# Altium PCB Video_Processing_Board.PcbDoc (part 2 of 2)
Units mm, origin at the board's own origin, x right, y up, seen from the top; angles counter-clockwise.
Board outline 40.63 x 59.74 mm, 6 copper layers (L1[SIG], L2[GND], L3[SIG], L4[PWR], L5[GND], L6[SIG]), stack 1.559 mm thick; 262 components, 193 nets, 1505 pads, 0 vias.
Unrouted connection lines stored in the file: 687.
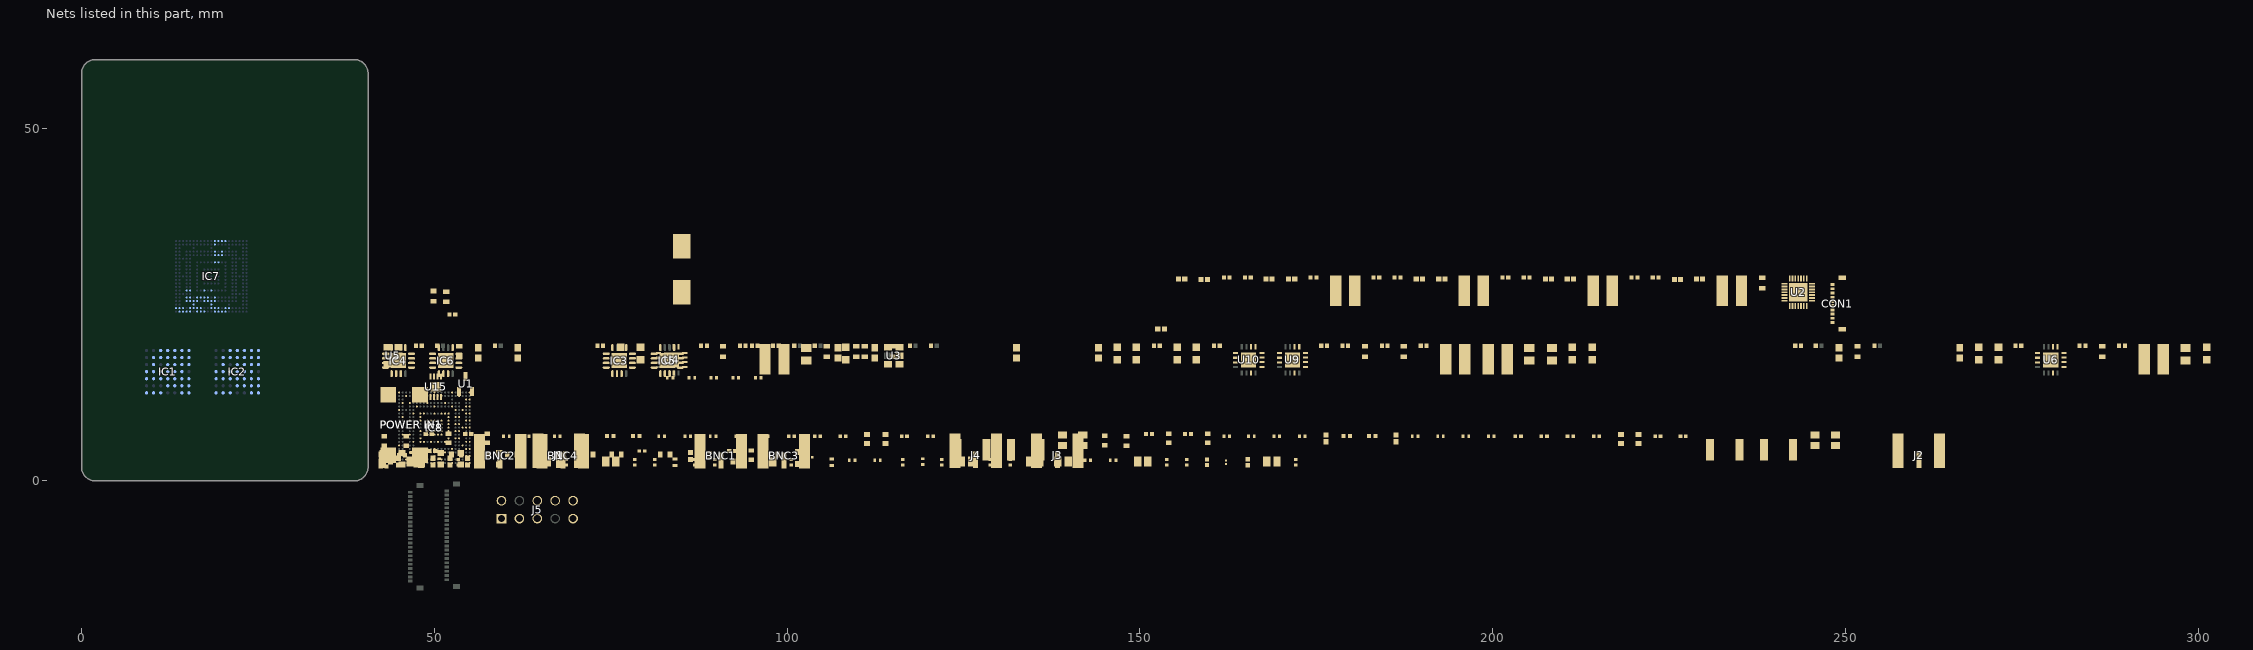
[diagram p2: the nets of this part, all layers, seen from the top]

## Part data
BNC1 BNC2 BNC3 BNC4: library part Component_1_3
C1 C10 C134: library part CMP-14477-000104-2, "None", Capacitance=1uF, Case Code (Imperial)=0402, Case Code (Metric)=1005, Dielectric=X5R, Max Operating Temperature=85°C, Min Operating Temperature=-55°C, Package Quantity=1, Tolerance=10%, Voltage Rating=16V, Case/Package=0402, Construction=Flat, Depth=0.5mm, Halogen Free="Halogen Free", Height=0.5mm, Length=1mm, Mount="Surface Mount", Number of Pins=2, Packaging="Tape and Reel", Radiation Hardening=No, RoHS Compliant=Yes, Series=M, Termination=SMD/SMT, Thickness=0.022inch, Voltage Rating (DC)=16V, Width=0.02inch
C2 C3 C4 C5 C6 C7 C8 C9 C11: library part CMP-2000-05265-2, "CAP CER 10UF 6.3V X5R 0402", Capacitance=10uF, Case Code (Imperial)=0402, Case Code (Metric)=1005, Dielectric=X5R, Max Operating Temperature=85°C, Min Operating Temperature=-55°C, Package Quantity=10000, Tolerance=20%, Voltage=6.3V, Case/Package=0402, Depth=0.5mm, Height=0.5mm, Lead Free="Lead Free", Length=1mm, Mount="Surface Mount", Packaging="Tape and Reel", REACH SVHC="No SVHC", RoHS Compliant=Yes, Series=GRM, Termination=SMD/SMT, Thickness=0.022inch, Voltage Rating=6.3V, Voltage Rating (DC)=6.3V, Width=0.5mm
C12 C15 C16 C53 C54 C57 C58 C63 C70 C71 C72 C73 C82 C83: library part C0402, "C0402C103K9RACTU 10nF 6.3V", PackageDocument=Mar-2001, Code_IPC="1005 [0402]", Code_JEITA=0402, ComponentLink1Description="Manufacturer Link", ComponentLink1URL=http://www.kemet.com/, ComponentLink2Description=Datasheet, ComponentLink2URL=http://www.kemet.com/kemet/web/homepage/kechome.nsf/vapubfilesname/F3102TA.pdf/$file/F3102TA.pdf, DatasheetDocument=Mar-2001, LatestRevisionDate=19-Mar-2004, LatestRevisionNote="Silkscreen size reduced.", Note="Footprint corresponds to dimensions for bulk cassette packaging. This case size has tightened tolerances.", PackageReference=0402, Published=17-Jul-2002, Publisher="Altium Limited"
C13 C55 C66 C67: library part C0805, "C0805C105K5RACTU 1uF 50V", PackageDocument=Mar-2001, Code_IPC=2012[0805], Code_JEITA=0805, ComponentLink1Description="Manufacturer Link", ComponentLink1URL=http://www.kemet.com/, ComponentLink2Description=Datasheet, ComponentLink2URL=http://www.kemet.com/kemet/web/homepage/kechome.nsf/vapubfilesname/F3102TA.pdf/$file/F3102TA.pdf, DatasheetDocument=Mar-2001, LatestRevisionDate=19-Mar-2004, LatestRevisionNote="Silkscreen size reduced.", Note="Footprint corresponds to dimensions for bulk cassette packaging. This case size has tightened tolerances.", PackageReference=0805, Published=17-Jul-2002, Publisher="Altium Limited"
C14 C56 C68 C69: library part C0402, "C0402C103J5RACTU 10nF 50VV", PackageDocument=Mar-2001, Code_IPC="1005 [0402]", Code_JEITA=0402, ComponentLink1Description="Manufacturer Link", ComponentLink1URL=http://www.kemet.com/, ComponentLink2Description=Datasheet, ComponentLink2URL=http://www.kemet.com/kemet/web/homepage/kechome.nsf/vapubfilesname/F3102TA.pdf/$file/F3102TA.pdf, DatasheetDocument=Mar-2001, LatestRevisionDate=19-Mar-2004, LatestRevisionNote="Silkscreen size reduced.", Note="Footprint corresponds to dimensions for bulk cassette packaging. This case size has tightened tolerances.", PackageReference=0402, Published=17-Jul-2002, Publisher="Altium Limited"
C17 C18 C59 C61 C74 C75 C78 C79: library part C0603, "C0603C333K5RACTU 33nF 50V", PackageDocument=Mar-2001, Code_IPC="1608 [0603]", Code_JEITA=0603, ComponentLink1Description="Manufacturer Link", ComponentLink1URL=http://www.kemet.com/, ComponentLink2Description=Datasheet, ComponentLink2URL=http://www.kemet.com/kemet/web/homepage/kechome.nsf/vapubfilesname/F3102TA.pdf/$file/F3102TA.pdf, DatasheetDocument=Mar-2001, LatestRevisionDate=19-Mar-2004, LatestRevisionNote="Silkscreen size reduced.", Note="Footprint corresponds to dimensions for bulk cassette packaging. This case size has tightened tolerances.", PackageReference=0603, Published=17-Jul-2002, Publisher="Altium Limited"
C19 C20 C35 C36: library part CMP-1036-04761-2, Manufacturer=Murata, Part Number=GRM21BR71H105KA12L
C21 C22 C37 C38: library part CMP-13271-000387-1, "Cap Ceramic 10nF 50V X7R ±10% SMD 0402 +125°C Paper T/R", Case Code (Imperial)=0402, Case Code (Metric)=1005, Dielectric=X7R, Max Operating Temperature=125°C, Min Operating Temperature=-55°C, Package Quantity=1, Tolerance=10%, Voltage=50V, Capacitance=10nF, Case/Package=0402, Contact Plating=Tin, Depth=0.5mm, Height=0.5mm, Lead Free="Lead Free", Length=1mm, Material=Ceramic, Mount="Surface Mount", Packaging="Tape and Reel", Radiation Hardening=No, Thickness=0.022inch, Voltage Rating=50V, Voltage Rating (DC)=50V, Width=0.02inch
C23 C24 C25 C26 C39 C40 C41 C42: library part CMP-2008-02108-2, "CAP CER 0.1UF 16V X7R 0402", Capacitance="0.10 μF", Manufacturer=Kemet, Manufacturer Part Number=C0402C104K4RACTU, Package=C0402-BB, Temperature="-55°C to +125°C", Temperature Characteristic=X7R, Temperature Coefficient=15%, Temperature Range High=+125°C, Temperature Range Low=-55°C, Tolerance=0.1, Voltage Rating="16 V", Automotive=No, Category=Cap, ComponentLink2Description=Datasheet, ComponentLink2URL=https://content.kemet.com/datasheets/KEM_C1002_X7R_SMD.pdf, Device Class L1="Passive Components", Device Class L2=Capacitors, Device Class L3="Ceramic Capacitors", Digikey Description="CAP CER 0.1UF 16V X7R 0402", Height=0.55mm, Ipc Land Pattern Name=CAPC10050X50, Lead Free=Yes, Material=Ceramic, Mouser Description="Cap Ceramic 0.1uF 16V X7R 10% SMD 0402 125?C Paper T/R - Tape and Reel (Alt: C0402C104K4RAC TU)", Octopart=https://octopart.com/c0402c104k4ractu-kemet-94158, RoHS=TRUE
C27 C28 C29 C30 C31 C32 C33 C34 C43 C44 C45 C46 C47 C48 C49 C50 C88 C89 C90 C91 C92 C94 C95 C98 C99 C100 C101 C102 C104 C107 C112 C113 C115 C116 C118 C119 C121 C122 C124 C125 C127 C128 C130 C131 C133 C135 C136: library part CMP-2100-03641-2, "CAP CER 0.1UF 16V X7R 0402", Capacitance=0.10μF, Manufacturer=Murata, Manufacturer Part Number=GRM155R71C104KA88D, Package=GRM15, Temperature="-55°C to +125°C", Temperature Characteristic=X7R, Temperature Range High=+125°C, Temperature Range Low=-55°C, Tolerance=10%, Voltage Rating=16Vdc, Category=Cap, ComponentLink2Description=Datasheet, ComponentLink2URL=https://search.murata.co.jp/Ceramy/image/img/A01X/G101/ENG/GRM155R71H471KA01-01A.pdf, Device Class L1="Passive Components", Device Class L2=Capacitors, Device Class L3="Ceramic Capacitors", Digikey Description="CAP CER 0.1UF 16V X7R 0402", Height=0.55mm, Ipc Land Pattern Name=CAPC10050X219, Lead Free=yes, Material=Ceramic, Mouser Description="0402 0.1 uF 16V ±10 % Tolerance X7R SMT Multilayer Ceramic Capacitor", Octopart=https://octopart.com/grm155r71c104ka88d-murata-196880, RoHS=TRUE, Standoff Height=0mm
C51 C52 C60 C62 C76 C77 C80 C81: library part C0402, "C0402C104K8RACTU 100nF 10V", PackageDocument=Mar-2001, Code_IPC="1005 [0402]", Code_JEITA=0402, ComponentLink1Description="Manufacturer Link", ComponentLink1URL=http://www.kemet.com/, ComponentLink2Description=Datasheet, ComponentLink2URL=http://www.kemet.com/kemet/web/homepage/kechome.nsf/vapubfilesname/F3102TA.pdf/$file/F3102TA.pdf, DatasheetDocument=Mar-2001, LatestRevisionDate=19-Mar-2004, LatestRevisionNote="Silkscreen size reduced.", Note="Footprint corresponds to dimensions for bulk cassette packaging. This case size has tightened tolerances.", PackageReference=0402, Published=17-Jul-2002, Publisher="Altium Limited"
C93: library part CMP-0687-00065-1, "Aluminum Electrolytic Capacitor, UD Series, Low Impedance, 330 uF, 16 V, + / - 20%, -55 to 105 degC, Chip Type, 8 x 10 mm D x L, Pb-Free, Reel", Manufacturer=Nichicon, PartNumber=UUD1C331MNL1GS, Rated Capacitance="330 uF", Rated Ripple Current (at 100kHz)="450 mA", Rated Voltage="16 V", Tolerance Rated Capacitance="-20 to 20%", ComponentLink1Description="Manufacturer URL", ComponentLink1URL=http://www.nichicon.co.jp/, ComponentLink2Description=Datasheet, ComponentLink2URL=http://products.nichicon.co.jp/en/pdf/XJA043/e-ud.pdf, ComponentLink3Description="Package Specification", ComponentLink3URL=http://products.nichicon.co.jp/en/pdf/XJA043/e-ud.pdf, DatasheetVersion=08/2012, Diameter="8 mm", Endurance Time="5000 h", Impedance="0.17 Ohm", Length="10 mm", Mounting Technology="Surface Mount", PackageDescription="2-Pin Surface Mount Device, Diameter 8 mm, Height 10 mm, Pitch 6.5 mm", PackageReference=CAPAE-D8H10, Packing="Dia382mm Reel", RoHS=TRUE
C96 C97 C106 C111 C114 C117 C120 C123 C129: library part CMP-2007-00047-1, Manufacturer="AVX Interconnect / Elco", Part Number=TLCR476M010XTA
C103 C126 C132: library part CMP-13271-000002-1, "CAP CER 10UF 10V X5R 0402", Capacitance=10uF, Manufacturer=Samsung, Manufacturer Part Number=CL05A106MP5NUNC, Temperature="-55°C to +85°C", Temperature Characteristic=X5R, Temperature Coefficient=15%, Temperature Range High=+85°C, Temperature Range Low=-55°C, Tolerance=20%, Voltage Rating=10V, Automotive=No, Category=Cap, ComponentLink2Description=Datasheet, ComponentLink2URL=http://www.samsungsem.com/kr/support/product-search/mlcc/__icsFiles/afieldfile/2019/05/10/19-CL05A106MP5NUNC.pdf, Device Class L1="Passive Components", Device Class L2=Capacitors, Device Class L3="Ceramic Capacitors", Digikey Description="CAP CER 10UF 10V X5R 0402", Height=0.7mm, Ipc Land Pattern Name=CAPC10050X50, Lead Free=Yes, Material=Ceramic, Octopart=https://octopart.com/cl05a106mp5nunc-samsung-22457395, Package=CL05A106MP5NUNC, RoHS=TRUE
C105: library part CMP-1033-00594-2, Manufacturer="AVX Interconnect / Elco", Part Number=02013D102KAT2A
C108: library part CMP-2008-03290-2, "CAP CER 2200PF 25V 5% NP0 0402", Capacitance="2,200 pF", Manufacturer=Kemet, Manufacturer Part Number=C0402C222J3GACTU, Package=C0402-BB, Temperature="-55°C to +125°C", Temperature Characteristic=C0G, Temperature Coefficient=15%, Temperature Range High=+125°C, Temperature Range Low=-55°C, Tolerance=0.05, Voltage Rating="25 V", Automotive=No, Category=Cap, ComponentLink2Description=Datasheet, ComponentLink2URL=https://content.kemet.com/datasheets/KEM_C1002_X7R_SMD.pdf, Device Class L1="Passive Components", Device Class L2=Capacitors, Device Class L3="Ceramic Capacitors", Digikey Description="CAP CER 2200PF 25V 5% NP0 0402", Height=0.55mm, Ipc Land Pattern Name=CAPC10050X50, Lead Free=Yes, Material=Ceramic, Mouser Description="Multilayer Ceramic Capacitors MLCC - SMD/SMT 25V 0.0022uF 5% C0G", Octopart=https://octopart.com/c0402c222j3gactu-kemet-9145102, RoHS=TRUE
C109: library part CMP-03422-000880-1, "CAP CER 4700PF 16V X7R 0201", Capacitance="4.7 nF", Manufacturer=Yageo, Manufacturer Part Number=CC0201KRX7R7BB472, Package=CC0201-BA, Temperature="-55°C to +85°C", Temperature Characteristic=X7R, Temperature Coefficient=15%, Temperature Range High=+85°C, Temperature Range Low=-55°C, Tolerance=0.1, Voltage Rating="16 V", Automotive=No, Category=Cap, ComponentLink2Description=Datasheet, ComponentLink2URL=http://www.yageo.com/documents/recent/UPY-GPHC_X5R_4V-to-50V_25.pdf, Device Class L1="Passive Components", Device Class L2=Capacitors, Device Class L3="Ceramic Capacitors", Digikey Description="CAP CER 4700PF 16V X7R 0201", Footprint Url=http://www.yageo.com/exep/pages/download/literatures/UPY-C_GEN_24.pdf, Height=0.33mm, Ipc Land Pattern Name=CAPC6030X30, Lead Free=Yes, Material=Ceramic, Mouser Description="Multilayer Ceramic Capacitors MLCC - SMD/SMT 4.7nF 16V X7R 10%", Octopart=https://octopart.com/cc0201krx7r7bb472-yageo-33242265, RoHS=TRUE
C110: library part CMP-2008-02796-2, "General Purpose Ceramic Capacitor, 0402, 10nF, 5%, X7R, 15%, 16V", Case Code (Imperial)=0402, Case Code (Metric)=1005, Dielectric=X7R, Max Operating Temperature=125°C, Min Operating Temperature=-55°C, Package Quantity=10000, Tolerance=5%, Voltage=16V, Capacitance=10nF, Case/Package=0402, Construction=Flat, Contact Plating=Tin, Depth=0.5mm, Height=0.5mm, Lead Free="Lead Free", Length=1mm, Mount="Surface Mount", Packaging="Tape and Reel", Radiation Hardening=No, REACH SVHC="No SVHC", RoHS Compliant=Yes, Series=-, Termination=SMD/SMT, Thickness=0.022inch, Voltage Rating=16V, Voltage Rating (DC)=16V, Width=0.5mm
CON2 CON3 FB1 FB2 FB3 FB4 FB5 FB6 FB7 FB8 IC1 IC2 J5 U1 U15: "Jumper", ComponentLink1Description=Datasheet, ID=110, Mounting_Type=SMT, Part_Name=Jumper, Part_Number=J00001
  J5: Parameter 1=HDR_5X2_100MIL
IC3 IC4 IC5 IC6: "12.5 Gbps Asymmetric Equalizer/Driver/Repeater", ComponentLink1Description=Datasheet, ID=110, Mounting_Type=SMT, Part_Name=Jumper, Part_Number=J00001
J1 J2 J3 J4: library part Component_1, "Amphenol_BNC_HD_034_1018"
L1 L2 L3 L4: library part CMP-0227-00364-1, "SMD Shielded Tiny Power Inductor WE-TPC, L = 1.50 µH", Inductance=1.5µH, ComponentLink1Description="Manufacturer Link", ComponentLink1URL=http://www.we-online.com, ComponentLink2Description=Datasheet, ComponentLink2URL=http://www.we-online.de/katalog/media/pdf/744031001.pdf, DatasheetVersion="ver 6, Jan-2009", PackageDescription="SMD Inductor, 2-Leads, Body 3.8 x 3.8 mm", PackageReference=WE-TPC-3816-S, PackageVersion=2009
L5 L6 L7 L8: library part CMP-11268-000188-1, "Fixed Inductors 1812PS Hi SRF Shlded 10uH 5 % 1.7 A", Case/Package=1812, DC Resistance (DCR)=170mR, Max DC Current=1.7A, Max Operating Temperature=105°C, Min Operating Temperature=-40°C, Package Quantity=600, Self Resonant Frequency=120MHz, Test Frequency=100kHz, Tolerance=5%, Core Material=Ferrite, Height=3.81mm, Inductance=10uH, Lead Free="Contains Lead", Length=5.87mm, Packaging="Tape and Reel", Q Factor=40, RoHS Compliant=Yes, Series=1812PS, Shielding=Shielded, Termination=SMD/SMT, Width=4.98mm
L9 L13 L17 L18: "SMD EMI Suppression Ferrite Bead WE-CBF, Z = 600 Ohm", ComponentLink1Description="Manufacturer URL", ComponentLink1URL=http://www.we-online.com, ComponentLink2Description=Datasheet, ComponentLink2URL=http://www.we-online.de/katalog/media/pdf/742792651.pdf, DatasheetVersion=Dec-2005, Impedance="600 Ohm", PackageDescription="Chip Inductor, 2-Leads, Body 1.6 x 0.8 mm", PackageReference=SMD-0603, PackageVersion=2009
L10 L14 L19 L20: "SMD Shielded Tiny Power Inductor WE-TPC, L = 1.50 µH", Inductance="1.50 µH", ComponentLink1Description="Manufacturer URL", ComponentLink1URL=http://www.we-online.com, ComponentLink2Description=Datasheet, ComponentLink2URL=http://www.we-online.de/katalog/media/pdf/744031001.pdf, DatasheetVersion="ver 6, Jan-2009", PackageDescription="SMD Inductor, 2-Leads, Body 3.8 x 3.8 mm", PackageReference=WE-TPC-3816-S, PackageVersion=2009
L11 L12 L15 L16 L21 L22 L23 L24: "SMD EMI Suppression Ferrite Bead WE-CBF, Z = 1000 Ohm", ComponentLink1Description="Manufacturer URL", ComponentLink1URL=http://www.we-online.com, ComponentLink2Description=Datasheet, ComponentLink2URL=http://www.we-online.de/katalog/media/pdf/742792662.pdf, DatasheetVersion="ver 1, Mar-2010", Impedance="1000 Ohm", PackageDescription="Chip Inductor, 2-Leads, Body 1.6 x 0.8 mm", PackageReference=SMD-0603, PackageVersion=2009
"POWER IN1" "POWER IN1": library part CMP-1502-00174-2, Color=Black, Current Rating=5A, Flammability Rating="UL94 V-0", Insulation Resistance=100MΩ, Max Operating Temperature=85°C, Min Operating Temperature=-40°C, Operating Supply Voltage=18V, Connector Type=Power, Contact Gender=Female, Contact Plating=Tin, Gender=Male, Housing Material=Polyamide, Mount="Surface Mount", NexarPartId=52645180, Packaging="Tape and Reel", REACH SVHC=Unknown, RoHS=Compliant, Shielding=Unshielded, Termination=SMD/SMT, Voltage Rating=18V, Voltage Rating (DC)=18V
R1: library part CMP-2000-00875-1, Manufacturer=Panasonic, Package=0603, Part Number=ERA3AEB104V
R2: library part CMP-1011-00684-2, Manufacturer="Yageo / Phycomp", Parameter 1=35.7k, Parameter 2=0402, Part Number=RC0402FR-0735K7L
R3 R9 R11: library part CMP-2002-07364-1, Manufacturer="Yageo / Phycomp", Parameter 3=11.5k, Parameter 4=0402, Part Number=RC0402FR-0711K5L
R4: library part CMP-2002-07717-1, Manufacturer="Yageo / Phycomp", Parameter 3=4.99k, Parameter 4=0402, Part Number=RC0402FR-074K99L
R5 R7: library part CMP-2002-07501-1, Manufacturer="Yageo / Phycomp", Parameter 3=20k, Parameter 4=0402, Part Number=RC0402FR-0720KL
R6: library part CMP-2002-07353-1, Manufacturer="Yageo / Phycomp", Parameter 3=10k, Parameter 4=0402, Part Number=RC0402FR-0710KL
R8: Package=None, Availability=Unavailable, MP=RN73H1ETTP1452F25, Parameter 1=14.5k, Parameter 2=0402, Parameter 3=14.5k, Parameter 4=0402, Price=None
R10: library part CMP-2002-07533-1, Manufacturer=Yageo, Parameter 3=24.3k, Parameter 4=0402, Part Number=RC0402FR-0724K3L
R12 R74: library part CMP-2000-00179-1, Manufacturer=Panasonic, Manufacturer Part Number=ERJ3EKF1000V, Part Number=ERJ-3EKF1000V
R13 R14 R15 R16 R17 R34 R36 R39 R45 R46 R47 R48: library part ERJ3EK, "Precision Thick Film Chip Resistor, 10 Ohm to 1M Ohm Range, 1% and 0.5% Tolerance, 0603 Size, 0.063 W", PackageDocument=Mar-2003, Code_IPC="1608 [0603]", ComponentLink1Description="Manufacturer Link", ComponentLink1URL=http://www.panasonic.com/industrial/components/resistive_products.htm, ComponentLink2Description=Datasheet, ComponentLink2URL=http://www.panasonic.com/industrial/components/pdf/AOA0000CE2.pdf, LatestRevisionDate=19-Mar-2004, LatestRevisionNote="Silkscreen size reduced.", PackageReference=3-0603, Published=17-Dec-2003, Publisher="Altium Limited"
R18 R19 R32 R33: library part CMP-2000-00180-1, Manufacturer=Panasonic, Part Number=ERJ-3EKF1001V
R20 R23 R24 R26 R27 R29 R30 R31: library part CMP-2002-05954-1, Manufacturer=Multicomp, Part Number=MC00625W0402115R
R21 R22 R35 R37: library part CMP-2002-01061-2, "RES SMD 75 OHM 1% 1/10W 0402", Case Code (Imperial)=0402, Case Code (Metric)=1005, Max Operating Temperature=155°C, Max Power Dissipation=100mW, Min Operating Temperature=-55°C, Package Quantity=1, Resistance Tolerance=1%, Resistor Type="Thick Film", Temperature Coefficient=100ppm/°C, Voltage Rating=50V, Case/Package=0402, Construction=Rectangular, Contact Plating=Tin, Depth=0.5mm, Features="Automotive AEC-Q200", Height=0.35mm, Lead Free="Lead Free", Length=1mm, Military Standard=Not, Mount="Surface Mount", Number of Terminations=2, Packaging="Tape and Reel", Power Rating=100mW, Radiation Hardening=No, REACH SVHC="No SVHC", Resistance=75R, RoHS Compliant=Yes, Series=ERJ, Size Code=0402, Technology="THICK FILM", Termination=SMD/SMT, Tolerance=1%, Voltage Rating (DC)=50V, Width=0.02inch
R25 R28 R38 R40 R61 R72: library part CMP-1011-00001-2, Manufacturer="Yageo / Phycomp", Part Number=RC0402JR-070RL
R58 R59 R65 R66 R68 R69 R70 RISE0 RISE1 RISE2 RISE3: library part CMP-2100-03664-2, "RES 10K OHM 1% 1/10W 0603", Case Code (Imperial)=0603, Case Code (Metric)=1608, Max Operating Temperature=155°C, Max Power Dissipation=100mW, Min Operating Temperature=-55°C, Resistance=10kR, Resistance Tolerance=1%, Resistor Type="Thick Film", Temperature Coefficient=100ppm/°C, Voltage Rating=75V, Voltage Rating (DC)=50V, Case/Package=0603, Construction=Rectangular, Depth=0.8mm, Features="Moisture Resistant", Height=0.45mm, Lead Free="Lead Free", Lead Pitch=0.3mm, Length=1.6mm, Military Standard=Not, Number of Pins=2, Number of Terminations=2, Packaging="Tape and Reel", Power Rating=100mW, RoHS Compliant=Yes, Series=RC, Size Code=0603, Termination=SMD/SMT, Tolerance=1%, Weight=7.1E-05oz, Width=0.8mm
R60: library part CMP-2100-03662-2, "RES SMD 100K OHM 1% 1/10W 0603", Case Code (Imperial)=0603, Case Code (Metric)=1608, Max Operating Temperature=155°C, Max Power Dissipation=100mW, Min Operating Temperature=-55°C, Resistance=100kR, Resistance Tolerance=1%, Resistor Type="Thick Film", Temperature Coefficient=100ppm/°C, Voltage Rating=50V, Working Voltage=75V, Case/Package=0603, Construction=Rectangular, Depth=0.8mm, Features="Moisture Resistant", Height=0.45mm, Lead Free="Lead Free", Length=1.6mm, Military Standard=Not, Number of Pins=2, Number of Terminations=2, Packaging="Tape and Reel", Power Rating=100mW, REACH SVHC="No SVHC", RoHS Compliant=Yes, Series=RC, Technology="THICK FILM", Termination=SMD/SMT, Tolerance=1%, Voltage Rating (DC)=50V, Width=0.8mm
R62: library part CMP-2000-06942-1, "Chip Resistor, 4.7 KOhm, +/- 1%, 0.1 W, -55 to 155 degC, 0603 (1608 Metric), RoHS, Tape and Reel", Case Code - in=0603, Case Code - mm=1608, Manufacturer=Yageo, Operating Temperature Range=-55Cto+155C, Package Description="2-Pin Surface Mount Device, Body 1.6 x 0.8 mm", Power Rating=100mW, Resistance=4.7kOhms, Temperature Coefficient=100PPM/C, Tolerance=1%, Voltage Rating=50V, Datasheet URL=http://www.yageo.com/documents/recent/PYu-RC_Group_51_RoHS_L_7.pdf, Datasheet Version="Rev. 7, 05/2017", Manufacturer URL=http://www.yageo.com/, Mounting Technology=SurfaceMount, Package Reference=0603, Packaging=Reel, Product=ThickFilmResistorsGeneralPurpose, Series=RC, Termination Style=SMD/SMT
R63 R67 R71 R73: library part CMP-1659-00009-5, "RES 1K OHM 1% 1/10W 0603", Case Code (Imperial)=0603, Case Code (Metric)=1608, Max Operating Temperature=155°C, Max Power Dissipation=100mW, Min Operating Temperature=-55°C, Resistance=1kR, Resistance Tolerance=1%, Resistor Type="Thick Film", Temperature Coefficient=100ppm/°C, Voltage Rating=50V, Case/Package=0603, Construction=Rectangular, Contact Plating=Tin, Depth=0.8mm, Features="Moisture Resistant", Height=0.45mm, Lead Free="Lead Free", Length=1.6mm, Military Standard=Not, Number of Terminations=2, Packaging="Tape and Reel", Power Rating=100mW, Radiation Hardening=No, REACH SVHC="No SVHC", RoHS Compliant=Yes, Series=RC, Size Code=0603, Technology="THICK FILM", Termination=SMD/SMT, Tolerance=1%
R64: library part CMP-2002-07520-1, Manufacturer="Yageo / Phycomp", Part Number=RC0402FR-0722RL
RAMP0 RAMP1 RAMP2 RAMP3: library part CMP-1659-00042-1, "Chip Resistor, 1.2 KOhm, +/- 1%, 0.1 W, -55 to 155 degC, 0603 (1608 Metric), RoHS, Tape and Reel", Case Code (Imperial)=0603, Case Code (Metric)=1608, Max Operating Temperature="155 degC", Min Operating Temperature="-55 degC", Package Quantity=5000, Power Rating="100 mW", Resistance="825 kohm", Tolerance=1%, Voltage Rating="50 V", Case\Package=0603, ComponentLink1Description="Manufacturer URL", ComponentLink1URL=http://www.yageo.com/, ComponentLink2Description=Datasheet, ComponentLink2URL=http://www.yageo.com/documents/recent/PYu-RC_Group_51_RoHS_L_04.pdf, DatasheetVersion="Rev. 4, 02/2016", Height="0.45 mm", Length="1.6 mm", PackageDescription="2-Pin Surface Mount Device, Body 1.6 x 0.8 mm", PackageReference=0603, Packaging="Tape and Reel", RoHSCompliant=true, Width="0.8 mm"
U2: "No Description Available", Copyright="Copyright (C) 2021 Accelerated Designs. All rights reserved", RefDes=RefDes, Type=Type
U3 U5: library part AX3DAF1-148.5000T, "148.5 MHz XO (Standard) LVDS Oscillator 3.3V Enable/Disable 6-SMD, No Lead", ComponentLink1Description=Datasheet, ID=110, Mounting_Type=SMT, Part_Name=AX3DAF1-148.5000T3, Part_Number=J00001
U4 U6 U9 U10: library part Component_1
CON1 IC7 IC8: ComponentLink1Description=Datasheet, ID=110, Mounting_Type=SMT, Part_Name=Jumper, Part_Number=J00001

## Nets (pads, with @x,y where several pads share a name; then routed paths per layer and width w, separated by ;. In a path a pad name is that pad's centre, name@x,y a point inside that pad or via, vN(x,y) a via of type N, cw(c..) or ccw(c..) an arc to the next point about the centre after c; other vN are vias at no path point)
1PV8: C118.2 C119.2 C120.1 C121.2 C122.2 C123.1 IC8.B3 IC8.B8 IC8.B13 IC8.B18 IC8.E11 IC8.E16 IC8.R12 IC8.U11 IC8.U16 IC8.Y8 IC8.Y13 IC8.Y18
3P3V: C124.2 C125.2 C126.1 C127.2 C128.2 C129.1 C133.2 C135.2 C136.1 IC8.D2 IC8.G5 IC8.G11 IC8.H2 IC8.J10 IC8.L5 J5.6 R60.2 R62.2 R63.2 R68.2 R69.2 R70.2 U1.2 U15.8
5V0: C1.1 C2.1 C4.1 C6.1 C8.1 CON1.1 CON1.2 CON1.3 CON1.4 U2.1 U2.6 U2.8 U2.14 U2.16 U2.21 U2.23 U2.26 U2.27
28V: "POWER IN1.1" C13.2 C19.2 C20.2 C35.2 C36.2 L5.2 L6.2 L7.2 L8.2 L10.2
DEVRST_N: C134.1 IC7.E10 R60.1 R61.1
DRAM0_CK_N: IC1.B2 IC7.Y17 R12.1
DRAM0_CK_P: IC1.B3 IC7.AA17 R12.2
DRAM0_CS#: IC1.A4 IC7.R18
DRAM0_DQ0: IC1.D4 IC7.V17
DRAM0_DQ1: IC1.D3 IC7.V18
DRAM0_DQ2: IC1.C5 IC7.U17
DRAM0_DQ3: IC1.D5 IC7.V16
DRAM0_DQ4: IC1.D6 IC7.V15
DRAM0_DQ5: IC1.E4 IC7.W16
DRAM0_DQ6: IC1.E3 IC7.AA18
DRAM0_DQ7: IC1.E2 IC7.Y19
DRAM0_DQ8: IC1.F5 IC7.Y15
DRAM0_DQ9: IC1.F1 IC7.Y21
DRAM0_DQ10: IC1.F7 IC7.AA14
DRAM0_DQ11: IC1.F2 IC7.Y20
DRAM0_DQ12: IC1.G5 IC7.AA15
DRAM0_DQ13: IC1.G1 IC7.AA20
DRAM0_DQ14: IC1.G7 IC7.AA13
DRAM0_DQ15: IC1.G2 IC7.AA19
DRAM0_RESET#: IC1.A5 IC7.R17
DRAM0_RWDS0: IC1.C4 IC7.U18
DRAM0_RWDS1: IC1.F4 IC7.Y16
DRAM1_CK_N: IC2.B2 IC7.U15 R74.1
DRAM1_CK_P: IC2.B3 IC7.U14 R74.2
DRAM1_CS#: IC2.A4 IC7.Y14
DRAM1_DQ0: IC2.D4 IC7.Y11
DRAM1_DQ1: IC2.D3 IC7.AA10
DRAM1_DQ2: IC2.C5 IC7.V12
DRAM1_DQ3: IC2.D5 IC7.V11
DRAM1_DQ4: IC2.D6 IC7.U12
DRAM1_DQ5: IC2.E4 IC7.W11
DRAM1_DQ6: IC2.E3 IC7.Y9
DRAM1_DQ7: IC2.E2 IC7.AA9
DRAM1_DQ8: IC2.F5 IC7.V10
DRAM1_DQ9: IC2.F1 IC7.AA8
DRAM1_DQ10: IC2.F7 IC7.R13
DRAM1_DQ11: IC2.F2 IC7.Y7
DRAM1_DQ12: IC2.G5 IC7.U10
DRAM1_DQ13: IC2.G1 IC7.AA7
DRAM1_DQ14: IC2.G7 IC7.R11
DRAM1_DQ15: IC2.G2 IC7.Y6
DRAM1_RESET#: IC2.A5 IC7.U13
DRAM1_RWDS0: IC2.C4 IC7.V13
DRAM1_RWDS1: IC2.F4 IC7.Y10
GND: "POWER IN1.2" "POWER IN1.3" BNC1.2 BNC1.3 BNC2.2 BNC2.3 BNC3.2 BNC3.3 BNC4.2 BNC4.3 C1.2 C2.2 C3.2 C4.2 C5.2 C6.2 C7.2 C8.2 C9.2 C10.2 C11.2 C12.1 C13.1 C14.1 C15.1 C16.2 C19.1 C20.1 C21.2 C22.2 C23.2 C24.2 C25.2 C26.2 C35.1 C36.1 C37.2 C38.2 C39.2 C40.2 C41.2 C42.2 C53.1 C54.1 C55.1 C56.1 C57.1 C58.2 C63.1 C66.1 C67.1 C68.1 C69.1 C70.1 C71.1 C72.2 C73.2 C82.1 C83.1 C88.1 C89.1 C90.1 C91.1 C92.1 C93.2 C94.1 C95.1 C96.2 C97.2 C98.1 C99.1 C100.1 C101.1 C102.1 C103.2 C104.1 C105.1 C106.2 C107.1 C108.2 C109.2 C110.2 C111.2 C112.1 C113.1 C114.2 C115.1 C116.1 C117.2 C118.1 C119.1 C120.2 C121.1 C122.1 C123.2 C127.1 C128.1 C129.2 C130.1 C131.1 C132.2 C133.1 C134.2 C135.1 C136.2 CON1.7 CON1.8 CON1.9 CON1.10 CON1.S1 CON1.S2 IC1.A7 IC1.B4 IC1.B7 IC1.C2 IC1.D1 IC1.E6 IC1.G3 IC1.G6 IC2.A7 IC2.B4 IC2.B7 IC2.C2 IC2.D1 IC2.E6 IC2.G3 IC2.G6 IC3.1 IC3.4 IC3.9 IC3.12 IC3.17 IC4.1 IC4.4 IC4.9 IC4.12 IC4.17 IC5.1 IC5.4 IC5.9 IC5.12 IC5.17 IC6.1 IC6.4 IC6.9 IC6.12 IC6.17 IC8.A1 IC8.A6 IC8.A11 IC8.A16 IC8.A21 IC8.AA1 IC8.AA6 IC8.AA11 IC8.AA16 IC8.AA21 IC8.C20 IC8.C21 IC8.D4 IC8.D9 IC8.D14 IC8.E21 IC8.F1 IC8.G14 IC8.G21 IC8.H7 IC8.H17 IC8.H18 IC8.J4 IC8.J9 IC8.J11 IC8.J13 IC8.J15 IC8.J21 IC8.K10 IC8.K12 IC8.K18 IC8.L1 IC8.L9 IC8.L11 IC8.L13 IC8.L15 IC8.L21 IC8.M10 IC8.M12 IC8.M18 IC8.N4 IC8.N9 IC8.N11 IC8.N13 IC8.N15 IC8.N21 IC8.P17 IC8.P18 IC8.R8 IC8.R21 IC8.T1 IC8.T19 IC8.U21 IC8.V4 IC8.V9 IC8.V14 IC8.W20 IC8.W21 J1.2 J1.3 J2.2 J2.3 J3.2 J3.3 J4.2 J4.3 J5.2 J5.10 R3.2 R5.2 R7.2 R9.2 R11.2 R16.1 R21.1 R22.1 R35.1 R37.1 R39.1 R47.1 R48.1 R58.1 R59.1 R65.1 R66.1 R67.1 R71.1 R72.1 R73.1 U1.3 U2.3 U2.4 U2.18 U2.19 U2.24 U2.25 U2.29 U3.3 U4.1 U4.7 U4.17 U5.3 U6.1 U6.7 U6.17 U9.1 U9.7 U9.17 U10.1 U10.7 U10.17 U15.4
JTAG_TCK: IC7.D10 J5.1 R67.2
JTAG_TDI: IC7.E9 J5.9
JTAG_TDO: J5.3 R64.1
JTAG_TMS: IC7.D8 J5.5
JTAG_TRST: IC7.G10 J5.8 R73.2
LFI0: R25.1
LFI1: R38.1
LFI2: R28.1
LFI3: R40.1
LFO0: U4.14
LFO1: U10.14
LFO2: U6.14
LFO3: U9.14
LVDS0_CLK_148_5MHZ_N: R17.2 U5.5
LVDS0_CLK_148_5MHZ_P: R17.1 U5.4
LVDS0_CLK_212_5MHZ_N: R13.2 U3.5
LVDS0_CLK_212_5MHZ_P: R13.1 U3.4
MGTAVTT1V2: L9.2 L13.2 L17.2 L18.2
NetBNC1_1: BNC1.1 C27.1 FB1.1 FB3.1
NetBNC2_1: BNC2.1 C43.1 FB5.1 FB6.1
NetBNC3_1: BNC3.1 C29.1 FB2.1 FB4.1
NetBNC4_1: BNC4.1 C45.1 FB7.1 FB8.1
NetC14_2: C14.2 R15.1
NetC17_1: C17.1 J1.1 L11.1 L12.1
NetC17_2: C17.2 U4.11
NetC18_1: C18.1 R16.2
NetC18_2: C18.2 U4.10
NetC21_1: C21.1 R18.2
NetC22_1: C22.1 R19.2
NetC27_2: C27.2 R20.1
NetC28_1: C28.1 IC3.11
NetC28_2: C28.2
NetC29_2: C29.2 R24.1
NetC30_1: C30.1 IC5.11
NetC30_2: C30.2
NetC31_1: C31.1 R21.2
NetC31_2: C31.2 R23.1
NetC32_1: C32.1 IC3.10
NetC32_2: C32.2
NetC33_1: C33.1 R22.2
NetC33_2: C33.2 R26.1
NetC34_1: C34.1 IC5.10
NetC34_2: C34.2
NetC37_1: C37.1 R32.2
NetC38_1: C38.1 R33.2
NetC43_2: C43.2 R27.1
NetC44_1: C44.1 IC4.11
NetC44_2: C44.2
NetC45_2: C45.2 R29.1
NetC46_1: C46.1 IC6.11
NetC46_2: C46.2
NetC47_1: C47.1 R35.2
NetC47_2: C47.2 R30.1
NetC48_1: C48.1 IC4.10
NetC48_2: C48.2
NetC49_1: C49.1 R37.2
NetC49_2: C49.2 R31.1
NetC50_1: C50.1 IC6.10
NetC50_2: C50.2
NetC51_1: C51.1 U4.3
NetC52_1: C52.1 U4.2
NetC56_2: C56.2 R36.1
NetC59_1: C59.1 J2.1 L15.1 L16.1
NetC59_2: C59.2 U6.11
NetC60_1: C60.1 U6.3
NetC61_1: C61.1 R39.2
NetC61_2: C61.2 U6.10
NetC62_1: C62.1 U6.2
NetC68_2: C68.2 R45.1
NetC69_2: C69.2 R46.1
NetC74_1: C74.1 J3.1 L21.1 L22.1
NetC74_2: C74.2 U9.11
NetC75_1: C75.1 J4.1 L23.1 L24.1
NetC75_2: C75.2 U10.11
NetC76_1: C76.1 U9.3
NetC77_1: C77.1 U10.3
NetC78_1: C78.1 R47.2
NetC78_2: C78.2 U9.10
NetC79_1: C79.1 R48.2
NetC79_2: C79.2 U10.10
NetC80_1: C80.1 U9.2
NetC81_1: C81.1 U10.2
NetC124_1: C124.1 C125.1 C126.2
NetFB1_2: FB1.2 FB3.2 L5.1 R18.1
NetFB2_2: FB2.2 FB4.2 L6.1 R19.1
NetFB5_2: FB5.2 FB6.2 L7.1 R32.1
NetFB7_2: FB7.2 FB8.2 L8.1 R33.1
NetIC3_2: IC3.2 R20.2
NetIC3_3: IC3.3 R23.2
NetIC3_5: IC3.5 R25.2
NetIC3_6: IC3.6 RAMP0.2
NetIC3_7: IC3.7 RISE0.2
NetIC4_2: IC4.2 R27.2
NetIC4_3: IC4.3 R30.2
NetIC4_5: IC4.5 R38.2
NetIC4_6: IC4.6 RAMP1.2
NetIC4_7: IC4.7 RISE1.2
NetIC5_2: IC5.2 R24.2
NetIC5_3: IC5.3 R26.2
NetIC5_5: IC5.5 R28.2
NetIC5_6: IC5.6 RAMP2.2
NetIC5_7: IC5.7 RISE2.2
NetIC6_2: IC6.2 R29.2
NetIC6_3: IC6.3 R31.2
NetIC6_5: IC6.5 R40.2
NetIC6_6: IC6.6 RAMP3.2
NetIC6_7: IC6.7 RISE3.2
NetIC7_A9: IC7.A9 R62.1 R65.2
NetIC7_A10: IC7.A10 R63.1 R66.2
NetIC7_E8: IC7.E8 R64.2
NetIC8_N2: IC8.N2 IC8.R5 IC8.U6 IC8.V2 IC8.Y3 R58.2
NetL1_1: L1.1 U2.2
NetL2_1: L2.1 U2.5
NetL3_1: L3.1 U2.17
NetL4_1: L4.1 U2.20
NetL10_1: L10.1 L11.2 L12.2 R15.2
NetL14_1: L14.1 L15.2 L16.2 R36.2
NetL19_1: L19.1 L21.2 L22.2 R45.2
NetL20_1: L20.1 L23.2 L24.2 R46.2
NetR1_1: R1.1 U2.9
NetR2_1: R2.1 R3.1 U2.28
NetR4_1: R4.1 R5.1 U2.7
NetR6_1: R6.1 R7.1 U2.15
NetR8_1: R8.1 R9.1 U2.22
NetR10_1: R10.1 R11.1 U2.11
NetR14_2: R14.2 U3.1
NetR34_2: R34.2 U5.1
NetR61_2: R61.2 U1.1
NetR68_1: R68.1 U15.7
NetR69_1: R69.1 U15.3
NetR72_2: R72.2 U15.9
POWER_OUT: C55.2 C66.2 C67.2 CON1.5 CON1.6 L14.2 L19.2 L20.2
SC_SPI_CS#: IC7.A7 R70.1 U15.1
SC_SPI_SCK: IC7.G9 R71.2 U15.6
SC_SPI_SDI: IC7.B10 U15.2
SC_SPI_SDO: IC7.A8 U15.5
VCC1V0: C5.1 C88.2 C89.2 C90.2 C91.2 C92.2 C93.1 C107.2 C108.1 C109.1 C110.1 C111.1 IC8.G20 IC8.H15 IC8.J12 IC8.J20 IC8.K9 IC8.K11 IC8.K13 IC8.K15 IC8.L10 IC8.L12 IC8.M11 IC8.M13 IC8.M15 IC8.N10 IC8.N12 IC8.N20 IC8.R20 IC8.U20 L2.2 R4.2
VCC1V2: C7.1 C16.1 C23.1 C24.1 C25.1 C26.1 C39.1 C40.1 C41.1 C42.1 C53.2 C58.1 C63.2 C72.1 C73.1 C82.2 C83.2 IC3.13 IC3.16 IC4.13 IC4.16 IC5.13 IC5.16 IC6.13 IC6.16 L3.2 L9.1 L13.1 L17.1 L18.1 R6.2 RAMP0.1 RAMP1.1 RAMP2.1 RAMP3.1 RISE0.1 RISE1.1 RISE2.1 RISE3.1 U4.9 U4.12 U6.9 U6.12 U9.9 U9.12 U10.9 U10.12
VCC1V8: C9.1 C94.2 C95.2 C96.1 C97.1 IC1.B5 IC1.C1 IC1.C7 IC1.D2 IC1.E1 IC1.E5 IC1.F3 IC1.F6 IC2.B5 IC2.C1 IC2.C7 IC2.D2 IC2.E1 IC2.E5 IC2.F3 IC2.F6 IC8.P7 IC8.P15 IC8.R10 IC8.R14 L4.2 R8.2
VCC2V5: C11.1 C98.2 C99.2 C100.2 C101.2 C102.2 C103.1 C104.2 C105.2 C106.1 C112.2 C113.2 C114.1 IC8.E6 IC8.F17 IC8.G7 IC8.G8 IC8.G13 IC8.G15 IC8.L19 IC8.L20 IC8.M9 IC8.R7 IC8.R15 R10.2 U2.12
VCC3V3: C3.1 C10.1 C12.2 C15.2 C54.2 C57.2 C70.2 C71.2 C115.2 C116.2 C117.1 IC8.J7 IC8.M7 L1.2 R1.2 R2.2 R14.1 R34.1 U2.10 U2.13 U3.6 U4.13 U5.6 U6.13 U9.13 U10.13
VDD25: C130.2 C131.2 C132.1 IC8.K17 IC8.M17
XCVR_VREF: IC8.E20 IC8.F19 R59.2
pads on no net: "POWER IN1.MH1" "POWER IN1.MH2" C51.2 C52.2 C60.2 C62.2 C76.2 C77.2 C80.2 C81.2 CON2.1 CON2.2 CON2.3 CON2.4 CON2.5 CON2.6 CON2.7 CON2.8 CON2.9 CON2.10 CON2.11 CON2.12 CON2.13 CON2.14 CON2.15 CON2.16 CON2.17 CON2.18 CON2.19 CON2.20 CON2.21 CON2.22 CON2.MP1 CON2.MP2 CON3.1 CON3.2 CON3.3 CON3.4 CON3.5 CON3.6 CON3.7 CON3.8 CON3.9 CON3.10 CON3.11 CON3.12 CON3.13 CON3.14 CON3.15 CON3.16 CON3.17 CON3.18 CON3.19 CON3.20 CON3.21 CON3.22 CON3.MP1 CON3.MP2 IC1.A1 IC1.A2 IC1.A3 IC1.A6 IC1.B1 IC1.B6 IC1.C3 IC1.C6 IC1.D7 IC1.E7 IC1.G4 IC2.A1 IC2.A2 IC2.A3 IC2.A6 IC2.B1 IC2.B6 IC2.C3 IC2.C6 IC2.D7 IC2.E7 IC2.G4 IC3.8 IC3.14 IC3.15 IC4.8 IC4.14 IC4.15 IC5.8 IC5.14 IC5.15 IC6.8 IC6.14 IC6.15 IC7.A1 IC7.A2 IC7.A3 IC7.A4 IC7.A5 IC7.A6 IC7.A11 IC7.A12 IC7.A13 IC7.A14 IC7.A15 IC7.A16 IC7.A17 IC7.A18 IC7.A19 IC7.A20 IC7.A21 IC7.AA1 IC7.AA2 IC7.AA3 IC7.AA4 IC7.AA5 IC7.AA6 IC7.AA11 IC7.AA12 IC7.AA16 IC7.AA21 IC7.B1 IC7.B2 IC7.B3 IC7.B4 IC7.B5 IC7.B6 IC7.B7 IC7.B8 IC7.B9 IC7.B11 IC7.B12 IC7.B13 IC7.B14 IC7.B15 IC7.B16 IC7.B17 IC7.B18 IC7.B19 IC7.B20 IC7.B21 IC7.C1 IC7.C2 IC7.C6 IC7.C11 IC7.C16 IC7.C20 IC7.C21 IC7.D1 IC7.D2 IC7.D4 IC7.D5 IC7.D6 IC7.D7 IC7.D9 IC7.D11 IC7.D12 IC7.D13 IC7.D14 IC7.D15 IC7.D16 IC7.D17 IC7.D18 IC7.D20 IC7.D21 IC7.E1 IC7.E2 IC7.E4 IC7.E5 IC7.E6 IC7.E7 IC7.E11 IC7.E12 IC7.E13 IC7.E14 IC7.E15 IC7.E16 IC7.E17 IC7.E18 IC7.E20 IC7.E21 IC7.F1 IC7.F2 IC7.F3 IC7.F4 IC7.F5 IC7.F17 IC7.F18 IC7.F19 IC7.F20 IC7.F21 IC7.G1 IC7.G2 IC7.G4 IC7.G5 IC7.G7 IC7.G8 IC7.G11 IC7.G12 IC7.G13 IC7.G14 IC7.G15 IC7.G17 IC7.G18 IC7.G20 IC7.G21 IC7.H1 IC7.H2 IC7.H4 IC7.H5 IC7.H7 IC7.H15 IC7.H17 IC7.H18 IC7.H20 IC7.H21 IC7.J1 IC7.J2 IC7.J4 IC7.J5 IC7.J7 IC7.J9 IC7.J10 IC7.J11 IC7.J12 IC7.J13 IC7.J15 IC7.J17 IC7.J18 IC7.J20 IC7.J21 IC7.K1 IC7.K2 IC7.K4 IC7.K5 IC7.K7 IC7.K9 IC7.K10 IC7.K11 IC7.K12 IC7.K13 IC7.K15 IC7.K17 IC7.K18 IC7.K20 IC7.K21 IC7.L1 IC7.L2 IC7.L3 IC7.L4 IC7.L5 IC7.L7 IC7.L9 IC7.L10 IC7.L11 IC7.L12 IC7.L13 IC7.L15 IC7.L17 IC7.L18 IC7.L19 IC7.L20 IC7.L21 IC7.M1 IC7.M2 IC7.M4 IC7.M5 IC7.M7 IC7.M9 IC7.M10 IC7.M11 IC7.M12 IC7.M13 IC7.M15 IC7.M17 IC7.M18 IC7.M20 IC7.M21 IC7.N1 IC7.N2 IC7.N4 IC7.N5 IC7.N7 IC7.N9 IC7.N10 IC7.N11 IC7.N12 IC7.N13 IC7.N15 IC7.N17 IC7.N18 IC7.N20 IC7.N21 IC7.P1 IC7.P2 IC7.P4 IC7.P5 IC7.P7 IC7.P15 IC7.P17 IC7.P18 IC7.P20 IC7.P21 IC7.R1 IC7.R2 IC7.R4 IC7.R5 IC7.R7 IC7.R8 IC7.R9 IC7.R10 IC7.R12 IC7.R14 IC7.R15 IC7.R20 IC7.R21 IC7.T1 IC7.T2 IC7.T3 IC7.T4 IC7.T5 IC7.T17 IC7.T18 IC7.T19 IC7.T20 IC7.T21 IC7.U1 IC7.U2 IC7.U4 IC7.U5 IC7.U6 IC7.U7 IC7.U8 IC7.U9 IC7.U11 IC7.U16 IC7.U20 IC7.U21 IC7.V1 IC7.V2 IC7.V4 IC7.V5 IC7.V6 IC7.V7 IC7.V8 IC7.V9 IC7.V14 IC7.V20 IC7.V21 IC7.W1 IC7.W2 IC7.W6 IC7.W20 IC7.W21 IC7.Y1 IC7.Y2 IC7.Y3 IC7.Y4 IC7.Y5 IC7.Y8 IC7.Y12 IC7.Y13 IC7.Y18 IC8.A2 IC8.A3 IC8.A4 IC8.A5 IC8.A7 IC8.A8 IC8.A9 IC8.A10 IC8.A12 IC8.A13 IC8.A14 IC8.A15 IC8.A17 IC8.A18 IC8.A19 IC8.A20 IC8.AA2 IC8.AA3 IC8.AA4 IC8.AA5 IC8.AA7 IC8.AA8 IC8.AA9 IC8.AA10 IC8.AA12 IC8.AA13 IC8.AA14 IC8.AA15 IC8.AA17 IC8.AA18 IC8.AA19 IC8.AA20 IC8.B1 IC8.B2 IC8.B4 IC8.B5 IC8.B6 IC8.B7 IC8.B9 IC8.B10 IC8.B11 IC8.B12 IC8.B14 IC8.B15 IC8.B16 IC8.B17 IC8.B19 IC8.B20 IC8.B21 IC8.C1 IC8.C2 IC8.C6 IC8.C11 IC8.C16 IC8.D1 IC8.D5 IC8.D6 IC8.D7 IC8.D8 IC8.D10 IC8.D11 IC8.D12 IC8.D13 IC8.D15 IC8.D16 IC8.D17 IC8.D18 IC8.D20 IC8.D21 IC8.E1 IC8.E2 IC8.E4 IC8.E5 IC8.E7 IC8.E8 IC8.E9 IC8.E10 IC8.E12 IC8.E13 IC8.E14 IC8.E15 IC8.E17 IC8.E18 IC8.F2 IC8.F3 IC8.F4 IC8.F5 IC8.F18 IC8.F20 IC8.F21 IC8.G1 IC8.G2 IC8.G4 IC8.G9 IC8.G10 IC8.G12 IC8.G17 IC8.G18 IC8.H1 IC8.H4 IC8.H5 IC8.H20 IC8.H21 IC8.J1 IC8.J2 IC8.J5 IC8.J17 IC8.J18 IC8.K1 IC8.K2 IC8.K4 IC8.K5 IC8.K7 IC8.K20 IC8.K21 IC8.L2 IC8.L3 IC8.L4 IC8.L7 IC8.L17 IC8.L18 IC8.M1 IC8.M2 IC8.M4 IC8.M5 IC8.M20 IC8.M21 IC8.N1 IC8.N5 IC8.N7 IC8.N17 IC8.N18 IC8.P1 IC8.P2 IC8.P4 IC8.P5 IC8.P20 IC8.P21 IC8.R1 IC8.R2 IC8.R4 IC8.R9 IC8.R11 IC8.R13 IC8.R17 IC8.R18 IC8.T2 IC8.T3 IC8.T4 IC8.T5 IC8.T17 IC8.T18 IC8.T20 IC8.T21 IC8.U1 IC8.U2 IC8.U4 IC8.U5 IC8.U7 IC8.U8 IC8.U9 IC8.U10 IC8.U12 IC8.U13 IC8.U14 IC8.U15 IC8.U17 IC8.U18 IC8.V1 IC8.V5 IC8.V6 IC8.V7 IC8.V8 IC8.V10 IC8.V11 IC8.V12 IC8.V13 IC8.V15 IC8.V16 IC8.V17 IC8.V18 IC8.V20 IC8.V21 IC8.W1 IC8.W2 IC8.W6 IC8.W11 IC8.W16 IC8.Y1 IC8.Y2 IC8.Y4 IC8.Y5 IC8.Y6 IC8.Y7 IC8.Y9 IC8.Y10 IC8.Y11 IC8.Y12 IC8.Y14 IC8.Y15 IC8.Y16 IC8.Y17 IC8.Y19 IC8.Y20 IC8.Y21 J5.4 J5.7 U3.2 U4.4 U4.5 U4.6 U4.8 U4.15 U4.16 U5.2 U6.4 U6.5 U6.6 U6.8 U6.15 U6.16 U9.4 U9.5 U9.6 U9.8 U9.15 U9.16 U10.4 U10.5 U10.6 U10.8 U10.15 U10.16

## Silkscreen, mask and mechanical layers (free items; w line width, h text height)
Top Overlay:
  drawing of 7 lines, arcs and shapes, not listed
  text "Diaconu and Pleșan" at 1.3,1.32 h0.5
Board Description:
  drawing of 282 lines, arcs and shapes, not listed
  text "Layer" at -179.275,73.32 h1.52
  text "Name" at -172.899,73.32 h1.52
  text "Material" at -160.576,73.32 h1.52
  text "Thickness" at -149.502,73.32 h1.52
  text "Constant" at -140.404,73.32 h1.52
  text "Board Layer Stack" at -131.983,73.32 h1.52
  text "Top Overlay" at -172.899,70.272 h1.52
  text "Top Solder" at -172.899,67.224 h1.52
  text "Solder Resist" at -160.576,67.224 h1.52
  text "0,020mm" at -149.502,67.224 h1.52
  text "3.8" at -140.404,67.224 h1.52
  text "1" at -179.275,64.176 h1.52
  text "L1[SIG]" at -172.899,64.176 h1.52
  text "CF-004" at -160.576,64.176 h1.52
  text "0,018mm" at -149.502,64.176 h1.52
  text "Dielectric 1" at -172.899,61.128 h1.52
  text "PP-015" at -160.576,61.128 h1.52
  text "0,165mm" at -149.502,61.128 h1.52
  text "4.7" at -140.404,61.128 h1.52
  text "2" at -179.276,58.08 h1.52
  text "L2[GND]" at -172.899,58.08 h1.52
  text "0,035mm" at -149.502,58.08 h1.52
  text "Dielectric 2" at -172.899,55.032 h1.52
  text "Core-024" at -160.576,55.032 h1.52
  text "0,356mm" at -149.502,55.032 h1.52
  text "4.7" at -140.404,55.032 h1.52
  text "3" at -179.275,51.984 h1.52
  text "L3[SIG]" at -172.899,51.984 h1.52
  text "0,035mm" at -149.502,51.984 h1.52
  text "Dielectric 3" at -172.899,48.936 h1.52
  text "PP-017" at -160.576,48.936 h1.52
  text "0,356mm" at -149.502,48.936 h1.52
  text "4.7" at -140.404,48.936 h1.52
  text "4" at -179.275,45.888 h1.52
  text "L4[PWR]" at -172.899,45.888 h1.52
  text "CF-004" at -160.576,45.888 h1.52
  text "0,035mm" at -149.502,45.888 h1.52
  text "Dielectric 4" at -172.899,42.84 h1.52
  text "Core-024" at -160.576,42.84 h1.52
  text "0,356mm" at -149.502,42.84 h1.52
  text "4.7" at -140.404,42.84 h1.52
  text "5" at -179.275,39.792 h1.52
  text "L5[GND]" at -172.899,39.792 h1.52
  text "CF-004" at -160.576,39.792 h1.52
  text "0,035mm" at -149.502,39.792 h1.52
  text "Dielectric 5" at -172.899,36.744 h1.52
  text "PP-015" at -160.576,36.744 h1.52
  text "0,152mm" at -149.502,36.744 h1.52
  text "4.7" at -140.404,36.744 h1.52
  text "6" at -179.275,33.696 h1.52
  text "L6[SIG]" at -172.899,33.696 h1.52
  text "CF-004" at -160.576,33.696 h1.52
  text "0,018mm" at -149.502,33.696 h1.52
  text "Bottom Solder" at -172.899,30.648 h1.52
  text "Solder Resist" at -160.576,30.648 h1.52
  text "0,020mm" at -149.502,30.648 h1.52
  text "3.8" at -140.404,30.648 h1.52
  text "Bottom Overlay" at -172.899,27.6 h1.52
  text "Total board thickness:" at -179.275,24.552 h1.52
  text "1,600mm" at -149.502,24.552 h1.52
  text "Mechanical Layer Assignment" at -183.361,-67.644 h2
  text "File Extension" at -183.361,-70.644 h2
  text "Layer" at -171.361,-70.644 h2
  text "File Extension" at -147.361,-70.644 h2
  text "Layer" at -135.361,-70.644 h2
  text "File Extension" at -111.361,-70.644 h2
  text "Layer" at -99.361,-70.644 h2
  text ".GM1" at -181.361,-73.644 h2
  text "Board Outline" at -171.361,-73.644 h2
  text ".GM9" at -145.361,-73.644 h2
  text "Top Assembly Description" at -135.361,-73.644 h2
  text ".GM17" at -109.361,-73.644 h2
  text "Top Sheet PCB_Docu" at -99.361,-73.644 h2
  text ".GM2" at -181.361,-76.644 h2
  text "Board Contours" at -171.361,-76.644 h2
  text ".GM10" at -145.361,-76.644 h2
  text "Bottom Assembly Description" at -135.361,-76.644 h2
  text ".GM18" at -109.361,-76.644 h2
  text "Bottom Sheet PCB_Docu" at -99.361,-76.644 h2
  text ".GM3" at -181.361,-79.644 h2
  text "Board Dimensions" at -171.361,-79.644 h2
  text ".GM11" at -145.361,-79.644 h2
  text "Top Via Filling Cut-Out" at -135.361,-79.644 h2
  text ".GM19" at -109.361,-79.644 h2
  text "Top Coating" at -99.361,-79.644 h2
  text ".GM4" at -181.361,-82.644 h2
  text "Board Description" at -171.361,-82.644 h2
  text ".GM12" at -145.361,-82.644 h2
  text "Bottom Via Filling Cut-Out" at -135.361,-82.644 h2
  text ".GM20" at -109.361,-82.644 h2
  text "Bottom Coating" at -99.361,-82.644 h2
  text ".GM5" at -181.361,-85.644 h2
  text "Top Manufacturer Info" at -171.361,-85.644 h2
  text ".GM13" at -145.361,-85.644 h2
  text "Top Assembly" at -135.361,-85.644 h2
  text ".GM21" at -109.361,-85.644 h2
  text "Top Test Points" at -99.361,-85.644 h2
  text ".GM6" at -181.361,-88.644 h2
  text "Bottom Manufacturer Info" at -171.361,-88.644 h2
  text ".GM14" at -145.361,-88.644 h2
  text "Bottom Assembly" at -135.361,-88.644 h2
  text ".GM22" at -109.361,-88.644 h2
  text "Bottom Test Points" at -99.361,-88.644 h2
  text ".GM7" at -181.361,-91.644 h2
  text "Top Label" at -171.361,-91.644 h2
  text ".GM15" at -145.361,-91.644 h2
  text "Top Place Outline" at -135.361,-91.644 h2
  text ".GM24" at -109.361,-91.644 h2
  text "Additional Descriptions" at -99.361,-91.644 h2
  text ".GM8" at -181.361,-94.644 h2
  text "Bottom Label" at -171.361,-94.644 h2
  text ".GM16" at -145.361,-94.644 h2
  text "Bottom Place Outline" at -135.361,-94.644 h2
  text ".GM25" at -109.361,-94.644 h2
  text "Additional Dimensions" at -99.361,-94.644 h2
Drill Drawing:
  circle w0.254: c-177.74,-35.286 r1.382
  lines w0.254: -179.122,-30.451 -176.359,-30.451 -176.359,-27.687 -179.122,-27.687 -179.122,-30.451
  lines w0.3: -181.55,-38.533 51.225,-38.533 ; -181.55,-26.099 51.225,-26.099 ; -165.585,-44.75 -165.585,-19.881 ; -152.636,-44.75 -152.636,-19.881 ; -135.512,-44.75 -135.512,-19.881 ; -123.129,-44.75 -123.129,-19.881 ; -105.109,-44.75 -105.109,-19.881 ; -80.459,-44.75 -80.459,-19.881 ; -65.692,-44.75 -65.692,-19.881 ; -46.398,-44.75 -46.398,-19.881 ; -29.449,-44.75 -29.449,-19.881 ; -10.072,-44.75 -10.072,-19.881 ; 20.049,-44.75 20.049,-19.881 ; -181.55,-44.75 51.225,-44.75 51.225,-19.881 -181.55,-19.881 -181.55,-44.75
  text "Symbol" at -177.82,-24.233 h3.6
  text "Count" at -163.72,-24.233 h3.6
  text "Hole Size" at -150.771,-24.233 h3.6
  text "Plated" at -133.646,-24.233 h3.6
  text "Hole Type" at -121.263,-24.233 h3.6
  text "Drill Layer Pair" at -103.244,-24.233 h3.6
  text "Via/Pad" at -78.594,-24.233 h3.6
  text "Pad Shape" at -63.827,-24.233 h3.6
  text "Template" at -44.533,-24.233 h3.6
  text "Description" at -27.584,-24.233 h3.6
  text "Hole Tolerance (+)" at -8.207,-24.233 h3.6
  text "Hole Tolerance (-)" at 21.914,-24.233 h3.6
  text "2" at -163.72,-30.451 h3
  text "1,000mm" at -150.771,-30.451 h3
  text "NPTH" at -133.646,-30.451 h3
  text "Round" at -121.263,-30.451 h3
  text "L1[SIG] - L6[SIG]" at -103.244,-30.451 h3
  text "Pad" at -78.594,-30.451 h3
  text "Rounded" at -63.827,-30.451 h3
  text "c100hn100" at -44.533,-30.451 h3
  text "10" at -163.72,-36.668 h3
  text "1,020mm" at -150.771,-36.668 h3
  text "PTH" at -133.646,-36.668 h3
  text "Round" at -121.263,-36.668 h3
  text "L1[SIG] - L6[SIG]" at -103.244,-36.668 h3
  text "Pad" at -78.594,-36.668 h3
  text "(Mixed)" at -63.827,-36.668 h3
  text "(Mixed)" at -44.533,-36.668 h3
  text "12 Total" at -163.72,-42.885 h3
Top Sheet PCB_Docu:
  drawing of 1874 lines, arcs and shapes, not listed
  text "1" at -160.847,87.443 h1.78
  text "2" at -88.203,87.443 h1.78
  text "3" at -15.051,87.443 h1.78
  text "4" at 57.847,87.443 h1.78
  text "A" at -195.188,64.431 h1.78
  text "A" at 91.832,64.431 h1.78
  text "B" at -195.188,16.374 h1.78
  text "B" at 91.832,16.374 h1.78
  text "C" at -195.188,-32.14 h1.78
  text "C" at 91.832,-32.14 h1.78
  text "ENGINEER:" at -23.103,-69.148 h1.14
  text "TITLE:" at 14.997,-69.148 h1.14
  text "Doru Diaconu" at -21.833,-72.325 h1.78
  text ".Printout_Name" at 32.668,-74.519 h2.5
  text "PCB DESIGNER:" at -23.103,-76.641 h1.14
  text "Stefan Plesan" at -21.833,-80.07 h1.78
  text "D" at -195.188,-80.146 h1.78
  text "D" at 91.832,-80.146 h1.78
  text "DATE:" at -23.103,-84.388 h1.14
  text "PART NO.:" at 14.997,-84.388 h1.14
  text "REV:" at 68.337,-84.388 h1.14
  text "A" at 77.05,-86.238 h1.78
  text "Altium Limited" at -56.123,-86.928 h1.78
  text ".PRINT_DATE" at -21.833,-87.436 h1.78
  text "12a Rodborough Rd" at -56.123,-89.468 h1.78
  text "Frenchs Forest" at -56.123,-92.008 h1.78
  text "FILE NAME:" at -23.103,-92.008 h1.14
  text "DWG NO:" at 14.997,-92.008 h1.14
  text "SCALE:" at 68.337,-92.008 h1.14
  text "NSW 2086" at -56.123,-94.548 h1.78
  text ".PCB_FILE_NAME_NO_PATH" at -21.833,-95.056 h1.78
  text "1" at -160.847,-100.517 h1.78
  text "2" at -88.203,-100.517 h1.78
  text "3" at -15.051,-100.517 h1.78
  text "4" at 57.847,-100.517 h1.78
Bottom Sheet PCB_Docu:
  drawing of 1874 lines, arcs and shapes, not listed
  text "4" at -159.932,87.443 h1.78
  text "3" at -87.034,87.443 h1.78
  text "2" at -13.882,87.443 h1.78
  text "1" at 58.762,87.443 h1.78
  text "A" at -193.918,64.431 h1.78
  text "A" at 93.102,64.431 h1.78
  text "B" at -193.918,16.374 h1.78
  text "B" at 93.102,16.374 h1.78
  text "C" at -193.918,-32.14 h1.78
  text "C" at 93.102,-32.14 h1.78
  text "TITLE:" at -117.083,-69.148 h1.14
  text "ENGINEER:" at -78.983,-69.148 h1.14
  text "Doru Diaconu" at -80.253,-72.551 h1.78
  text ".Printout_Name" at -134.973,-74.463 h2.5
  text "PCB DESIGNER:" at -78.983,-76.641 h1.14
  text "Stefan Plesan" at -80.253,-79.946 h1.78
  text "D" at -193.918,-80.146 h1.78
  text "D" at 93.102,-80.146 h1.78
  text "REV:" at -170.423,-84.388 h1.14
  text "PART NO.:" at -117.083,-84.388 h1.14
  text "DATE:" at -78.983,-84.388 h1.14
  text "A" at -179.466,-86.644 h1.78
  text "Altium Limited" at -45.963,-86.928 h1.78
  text ".PRINT_DATE" at -80.253,-87.436 h1.78
  text "12a Rodborough Rd" at -45.963,-89.468 h1.78
  text "SCALE:" at -170.423,-92.008 h1.14
  text "DWG NO:" at -117.083,-92.008 h1.14
  text "FILE NAME:" at -78.983,-92.008 h1.14
  text "Frenchs Forest" at -45.963,-92.008 h1.78
  text "NSW 2086" at -45.963,-94.548 h1.78
  text ".PCB_FILE_NAME_NO_PATH" at -80.253,-95.056 h1.78
  text "4" at -159.932,-100.517 h1.78
  text "3" at -87.034,-100.517 h1.78
  text "2" at -13.882,-100.517 h1.78
  text "1" at 58.762,-100.517 h1.78

## Text inside footprints (layer, text, board x,y; h text height)
IC1: Bottom Overlay "7" at 7.586,11.857 h1.27; Bottom Overlay "1" at 7.586,17.857 h1.27; Bottom Overlay "G" at 15.856,20.762 h1.27 r90; Bottom Overlay "A" at 9.856,20.762 h1.27 r90
IC2: Bottom Overlay "A" at 19.714,20.762 h1.27 r90; Bottom Overlay "G" at 25.714,20.762 h1.27 r90; Bottom Overlay "1" at 17.443,17.857 h1.27; Bottom Overlay "7" at 17.443,11.857 h1.27
IC7: Bottom Overlay "AA" at 26.439,23.365 h1.27; Bottom Overlay "A" at 25.169,33.365 h1.27; Bottom Overlay "21" at 12.765,35.134 h1.27 r270; Bottom Overlay "1" at 22.765,35.134 h1.27 r270
IC8: Top Overlay "1" at 45.662,13.686 h1.27 r90; Top Overlay "21" at 55.662,13.686 h1.27 r90; Top Overlay "A" at 43.258,11.917 h1.27; Top Overlay "AA" at 41.988,1.917 h1.27